# Altium PCB EASY-EAI-Nano-TB V1.01.PCBDOC (part 5 of 7)
Units mm, origin at the board's own origin, x right, y up, seen from the top; angles counter-clockwise.
Board outline 120 x 90 mm, 4 copper layers (Top Layer, GND, VCC, Bottom Layer); 667 components, 452 nets, 2251 pads, 1430 vias.
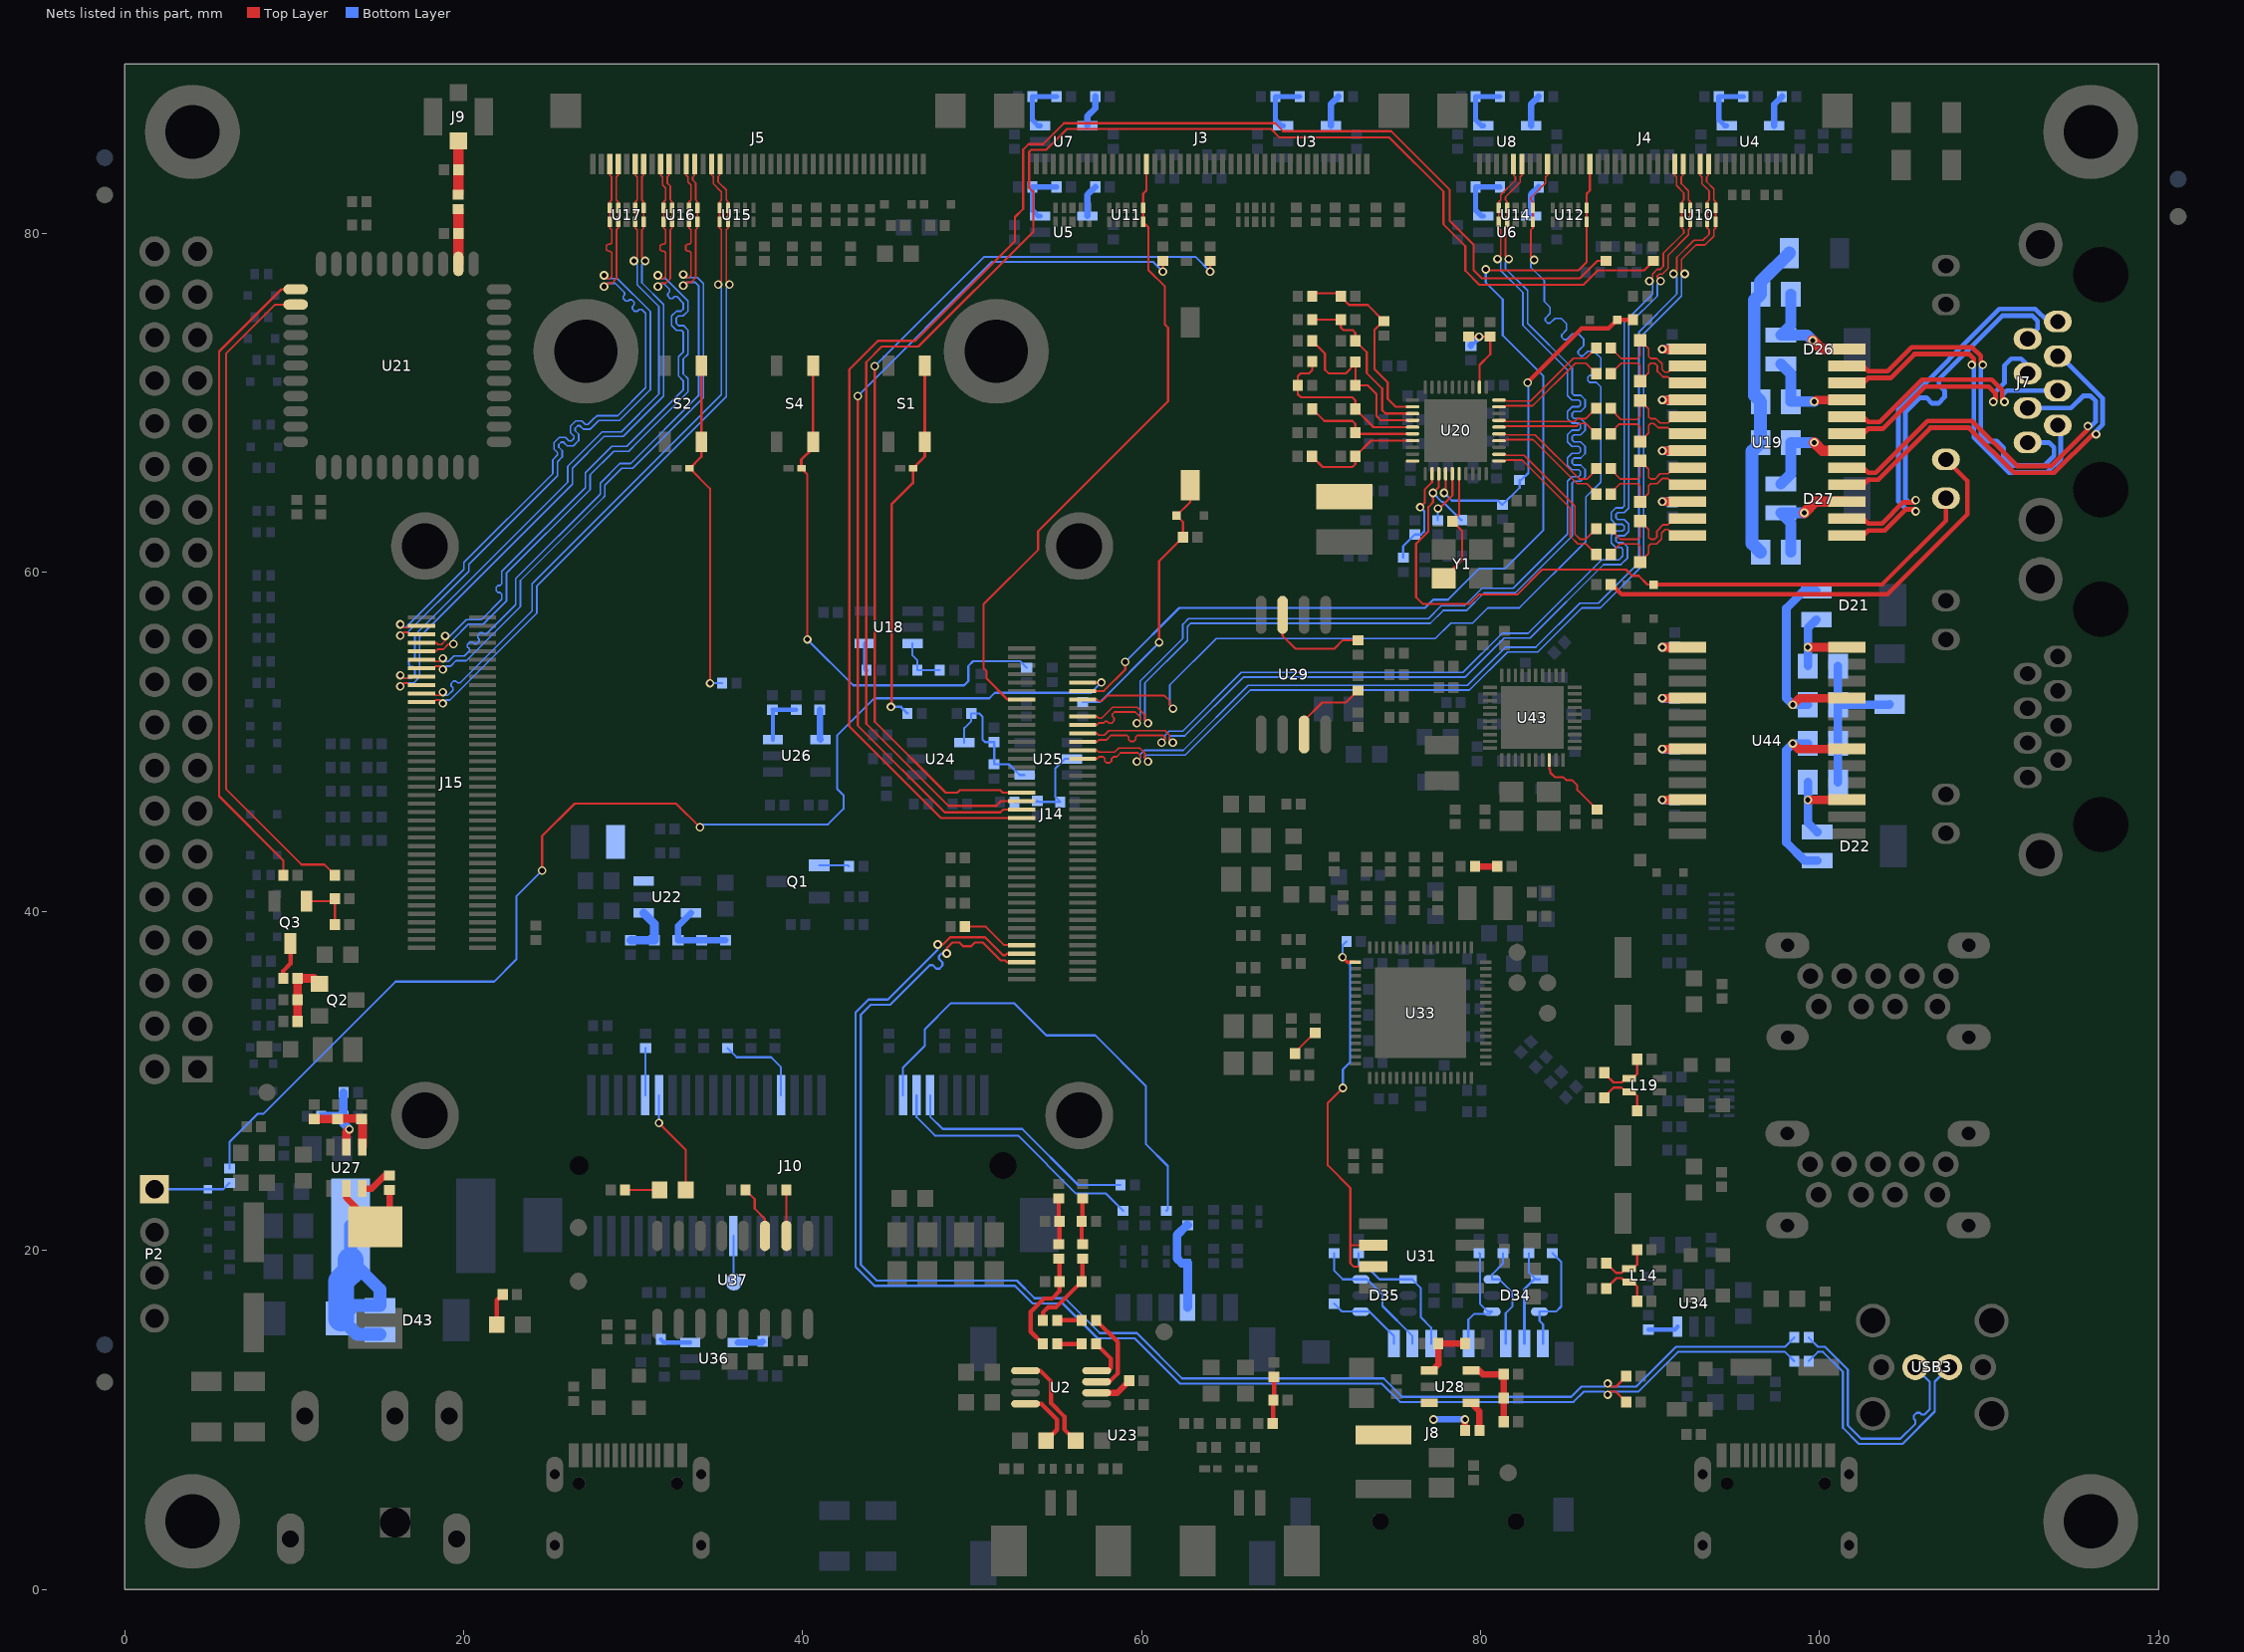
[diagram p7: the nets of this part, all layers, seen from the top]

## Via types
v1: diameter 0.508, hole 0.305, Top Layer to Bottom Layer, tented both sides, 1430 vias

## Nets (pads, with @x,y where several pads share a name; then routed paths per layer and width w, separated by ;. In a path a pad name is that pad's centre, name@x,y a point inside that pad or via, vN(x,y) a via of type N, cw(c..) or ccw(c..) an arc to the next point about the centre after c; other vN are vias at no path point) (continued)
MIPI_CSI1_RX_D0_P: J4.32 J14.67 U14.1 U14.10 | length 65.1
  Top Layer w0.102: J14.67@56.524,52.511 57.375,52.51 57.486,52.4 57.65,52.4 57.985,52.736 61.355,52.736 61.669,52.422 61.669,52.16 v1(61.859,51.969) ; v1(83.163,78.449) 82.973,78.639 82.973,80.223 83.083,80.333 U14.10@83.083,80.688 U14.1@83.083,81.518 83.083,81.873 82.973,81.983 82.973,82.119 83.843,82.989 83.843,83.34 83.953,83.45 J4.32@83.953,84.101
  Bottom Layer w0.102: v1(61.859,51.969) 61.669,52.16 61.669,53.363 64.414,56.109 77.332,56.109 78.246,57.023 79.535,57.023 80.424,57.912 82.291,57.912 86.224,61.845 86.224,64.465 87.098,65.338 87.098,70.958 86.832,71.223 86.437,71.223 86.336,71.324 86.336,71.528 86.437,71.629 86.832,71.629 87.098,71.895 87.098,72.663 86.784,72.977 86.702,73.059 86.327,73.059 86.047,72.78 85.903,72.78 85.76,72.923 85.76,73.067 85.899,73.207 86.09,73.397 86.09,73.773 85.783,74.08 85.407,74.08 85.077,73.75 84.934,73.75 84.79,73.893 84.79,74.037 85.069,74.316 85.069,74.692 84.762,74.999 84.387,74.999 84.107,74.72 83.964,74.72 83.82,74.863 83.82,75.007 84.099,75.286 84.099,75.661 83.764,75.997 83.764,77.22 82.973,78.011 82.973,78.258 v1(83.163,78.449) ; v1@83.138,78.474 v1@83.163,78.5
MIPI_CSI1_RX_D1_N: J4.36 J14.61 U14.5 U14.6 | length 65.1
  Top Layer w0.102: J14.61@56.524,51.01 57.375,51.01 57.486,51.121 57.759,51.121 57.85,51.212 57.985,51.212 58.083,51.114 58.245,51.114 58.38,51.249 58.38,51.416 58.278,51.518 58.278,51.64 58.407,51.769 59.633,51.769 59.916,51.487 59.916,51.296 v1(59.725,51.106) ; v1(81.003,78.5) 81.193,78.69 81.193,80.223 81.083,80.333 U14.6@81.083,80.688 U14.5@81.083,81.518 81.083,81.873 81.193,81.983 81.193,82.277 82.063,83.147 82.063,83.34 81.953,83.45 J4.36@81.953,84.101
  Bottom Layer w0.102: v1(59.725,51.106) 59.916,51.296 59.916,53.591 62.433,56.109 62.433,56.936 62.775,57.277 76.922,57.277 77.684,58.039 79.061,58.039 80.094,59.072 81.932,59.072 85.132,62.272 85.132,65.395 85.398,65.661 85.793,65.661 85.894,65.762 85.894,65.966 85.793,66.067 85.398,66.067 85.132,66.332 85.132,66.767 85.398,67.032 85.793,67.032 85.894,67.134 85.894,67.337 85.793,67.439 85.398,67.439 85.132,67.704 85.132,68.139 85.398,68.404 85.793,68.404 85.894,68.506 85.894,68.709 85.793,68.81 85.398,68.81 85.132,69.076 85.132,69.51 85.398,69.776 85.793,69.776 85.894,69.877 85.894,70.08 85.793,70.182 85.398,70.182 85.132,70.447 85.132,71.959 82.498,74.593 82.498,76.523 81.193,77.828 81.193,78.309 v1(81.003,78.5)
MIPI_CSI1_RX_D1_P: J4.35 J14.63 U14.4 U14.7 | length 65.1
  Top Layer w0.102: J14.63@56.524,51.511 57.375,51.51 57.486,51.4 57.643,51.4 58.292,52.049 59.749,52.049 60.195,51.602 60.195,51.296 v1(60.386,51.106) ; v1(81.663,78.5) 81.473,78.69 81.473,80.223 81.583,80.333 U14.7@81.583,80.688 U14.4@81.583,81.518 81.583,81.873 81.473,81.983 81.473,82.161 82.343,83.031 82.343,83.34 82.453,83.45 J4.35@82.453,84.101
  Bottom Layer w0.102: v1(60.386,51.106) 60.195,51.296 60.195,53.476 62.713,55.993 62.713,56.82 62.89,56.998 77.038,56.998 77.8,57.76 79.177,57.76 80.21,58.793 82.048,58.793 85.412,62.157 85.412,65.28 85.513,65.381 85.908,65.381 86.174,65.647 86.174,66.081 85.908,66.347 85.513,66.347 85.412,66.448 85.412,66.651 85.513,66.753 85.908,66.753 86.174,67.018 86.174,67.453 85.908,67.718 85.513,67.718 85.412,67.82 85.412,68.023 85.513,68.125 85.908,68.125 86.174,68.39 86.174,68.824 85.908,69.09 85.513,69.09 85.412,69.191 85.412,69.395 85.513,69.496 85.908,69.496 86.174,69.761 86.174,70.196 85.908,70.461 85.513,70.461 85.412,70.563 85.412,72.074 82.777,74.709 82.777,76.639 81.473,77.943 81.473,78.309 v1(81.663,78.5)
MIPI_CSI1_RX_D2_N: J4.14 J14.53 U10.2 U10.9 | length 65.1
  Top Layer w0.102: J14.53@56.524,49.01 57.375,49.01 57.486,49.121 57.73,49.121 57.831,49.019 57.831,48.872 57.933,48.77 58.136,48.77 58.238,48.872 58.238,49.019 58.339,49.121 58.525,49.121 58.764,49.36 59.789,49.36 59.916,49.233 59.916,49.042 v1(59.725,48.852) ; v1(91.393,77.623) 91.583,77.814 91.583,78.593 92.602,79.611 93.131,79.611 93.488,79.968 93.488,80.223 93.378,80.333 U10.9@93.378,80.688 U10.2@93.378,81.518 93.378,81.873 93.488,81.983 93.488,82.52 93.063,82.945 93.063,83.34 92.953,83.45 J4.14@92.953,84.101
  Bottom Layer w0.102: v1(59.725,48.852) 59.916,49.042 59.916,49.262 60.158,49.505 62.461,49.505 66.297,53.34 79.234,53.34 81.488,55.594 83.266,55.594 85.863,58.191 86.947,58.191 89.352,60.597 89.352,74.201 91.583,76.432 91.583,77.433 v1(91.393,77.623)
MIPI_CSI1_RX_D2_P: J4.13 J14.55 U10.1 U10.10 | length 65.1
  Top Layer w0.102: J14.55@56.524,49.511 57.375,49.51 57.486,49.4 58.409,49.4 58.648,49.639 59.905,49.639 60.195,49.348 60.195,49.042 v1(60.386,48.852) ; v1(92.053,77.623) 91.863,77.814 91.863,78.477 92.717,79.332 93.247,79.332 93.768,79.852 93.768,80.223 93.878,80.333 U10.10@93.878,80.688 U10.1@93.878,81.518 93.878,81.873 93.768,81.983 93.768,82.635 93.343,83.06 93.343,83.34 93.453,83.45 J4.13@93.453,84.101
  Bottom Layer w0.102: v1(60.386,48.852) 60.195,49.042 60.195,49.146 60.274,49.225 62.577,49.225 66.412,53.061 79.35,53.061 81.604,55.315 83.382,55.315 85.979,57.912 87.063,57.912 89.632,60.481 89.632,74.086 91.863,76.317 91.863,77.433 v1(92.053,77.623)
MIPI_CSI1_RX_D3_N: J4.17 J14.57 U10.5 U10.6 | length 65.1
  Top Layer w0.102: J14.57@56.524,50.01 57.375,50.01 57.486,50.121 57.929,50.121 58.195,50.386 59.141,50.386 59.243,50.284 59.243,50.137 59.344,50.036 59.548,50.036 59.649,50.137 59.649,50.284 59.751,50.386 61.267,50.386 61.376,50.276 61.376,50.134 v1@61.211,49.969 ; v1(89.964,77.199) 90.155,77.39 90.155,77.619 90.432,77.896 90.614,77.896 90.782,78.064 90.782,78.833 91.988,80.039 91.988,80.223 91.878,80.333 U10.6@91.878,80.688 U10.5@91.878,81.518 91.878,81.873 91.988,81.983 91.988,82.408 91.563,82.833 91.563,83.34 91.453,83.45 J4.17@91.453,84.101
  Bottom Layer w0.102: v1(61.186,49.969) 61.376,50.16 61.376,50.385 61.636,50.645 62.435,50.645 65.892,54.102 78.967,54.102 81.278,56.413 82.815,56.413 87.145,60.744 88.169,60.744 88.396,60.971 88.396,61.378 88.294,61.48 87.975,61.48 87.71,61.745 87.71,62.18 87.975,62.445 88.371,62.445 88.472,62.547 88.472,62.75 88.371,62.851 87.975,62.851 87.71,63.117 87.71,63.551 87.975,63.817 88.371,63.817 88.472,63.918 88.472,74.761 90.155,76.444 90.155,77.009 v1(89.964,77.199)
MIPI_CSI1_RX_D3_P: J4.16 J14.59 U10.4 U10.7 | length 65.1
  Top Layer w0.102: J14.59@56.524,50.511 57.375,50.51 57.486,50.4 57.814,50.4 58.079,50.665 61.382,50.665 61.656,50.392 61.656,50.134 v1@61.821,49.969 ; v1(90.625,77.199) 90.434,77.39 90.434,77.503 90.548,77.617 90.73,77.617 91.061,77.948 91.061,78.717 92.268,79.923 92.268,80.223 92.378,80.333 U10.7@92.378,80.688 U10.4@92.378,81.518 92.378,81.873 92.268,81.983 92.268,82.524 91.843,82.949 91.843,83.34 91.953,83.45 J4.16@91.953,84.101
  Bottom Layer w0.102: v1(61.846,49.969) 61.656,50.16 61.656,50.27 61.751,50.365 62.55,50.365 66.008,53.823 79.082,53.823 81.394,56.134 82.93,56.134 87.261,60.465 88.284,60.465 88.675,60.856 88.675,61.494 88.41,61.759 88.091,61.759 87.99,61.861 87.99,62.064 88.091,62.166 88.486,62.166 88.752,62.431 88.752,62.866 88.486,63.131 88.091,63.131 87.99,63.232 87.99,63.436 88.091,63.537 88.486,63.537 88.752,63.802 88.752,74.646 90.434,76.328 90.434,77.009 v1(90.625,77.199)
MIPI_CSI_CAM0_CLKOUT: J3.27 J14.68 U11.1 U11.10 | length 38.2
  Top Layer w0.127: J14.68@52.925,52.511 52.096,52.51 50.863,53.743 50.863,54.166 50.673,54.356 50.673,58.115 53.899,61.341 53.899,62.437 61.57,70.107 61.57,74.447 61.384,74.633 61.384,76.877 60.4,77.861 60.4,80.384 U11.10@60.096,80.688 U11.1@60.096,81.518 60.096,82.357 60.291,82.552 J3.27@60.291,84.101
MIPI_CSI_CAM0_PDN: J14.46 R26.1 | length 55
  Top Layer w0.127: v1(44.26,72.172) 44.26,51.196 48.446,47.01 49.144,47.01 49.301,47.168 51.651,47.168 51.808,47.01 J14.46@52.925,47.01 ; v1(64.049,77.763) R26.1@64.049,78.392
  Bottom Layer w0.127: v1(44.26,72.172) 50.72,78.632 63.18,78.632 v1(64.049,77.763)
MIPI_CSI_CAM0_RST: J14.42 R28.1 | length 53.4
  Top Layer w0.127: v1(43.26,70.41) 43.26,50.971 48.384,45.847 51.669,45.847 51.832,46.01 J14.42@52.925,46.01 ; v1(61.255,77.763) R28.1@61.255,78.392
  Bottom Layer w0.127: v1(43.26,70.41) 51.184,78.334 60.684,78.334 v1(61.255,77.763)
MIPI_CSI_CAM1_CLKOUT: J4.27 J14.69 U12.1 U12.10 | length 60.3
  Top Layer w0.127: J14.69@56.524,53.01 57.786,53.01 59.04,54.264 v1(59.04,54.719) ; v1(80.313,77.889) 80.253,77.829 85.768,77.829 86.258,78.319 U12.10@86.258,80.688 U12.1@86.258,81.518 86.258,82.357 86.453,82.552 J4.27@86.453,84.101
  Bottom Layer w0.127: v1(59.04,54.719) 62.233,57.912 76.733,57.912 77.216,58.395 78.08,58.395 79.908,60.223 81.432,60.223 83.698,62.489 83.698,71.612 81.315,73.995 81.315,76.119 80.313,77.121 v1(80.313,77.889)
MIPI_CSI_CAM1_PDN: J14.44 R27.1 | length 94.3
  Top Layer w0.127: J14.44@52.925,46.511 51.714,46.51 51.431,46.228 48.617,46.228 43.76,51.085 43.76,72.417 44.675,73.332 46.835,73.332 53.615,80.112 53.615,82.455 53.372,82.697 53.372,84.825 53.495,84.948 54.38,84.948 55.614,86.182 67.635,86.182 68.149,85.668 74.623,85.668 77.81,82.481 77.81,80.559 79.106,79.263 79.106,77.812 79.935,76.983 86.074,76.983 86.923,77.832 89.651,77.832 R27.1@90.211,78.392
MIPI_CSI_CAM1_RST: J14.40 R29.1 | length 93.2
  Top Layer w0.127: J14.40@52.925,45.511 48.165,45.51 42.76,50.915 42.76,71.982 44.456,73.678 46.658,73.678 52.533,79.553 52.533,80.978 53.012,81.458 53.012,84.96 53.334,85.282 54.195,85.282 55.428,86.515 67.883,86.515 68.352,86.046 74.732,86.046 78.191,82.586 78.191,80.742 79.588,79.346 79.588,77.851 80.075,77.364 85.86,77.364 86.889,78.392 R29.1@87.417,78.392
MIPI_DSI_TX0_CLK_N: J5.34 J15.64 U17.1 U17.10 | length 40.5
  Top Layer w0.102: v1(16.268,53.279) 16.459,53.47 16.703,53.47 16.814,53.359 J15.64@17.524,53.359 ; J5.34@30.629,84.101 30.629,83.45 30.519,83.34 30.519,81.986 30.632,81.873 U17.1@30.632,81.518 U17.10@30.632,80.688 30.632,80.333 30.522,80.223 30.522,78.582 v1(30.712,78.392)
  Bottom Layer w0.102: v1(16.268,53.279) 16.459,53.47 17.035,53.47 17.41,53.844 17.41,56.2 26.426,65.216 26.426,66.162 28.29,68.026 29.422,68.026 31.806,70.41 31.806,75.809 30.522,77.094 30.522,78.201 v1(30.712,78.392)
MIPI_DSI_TX0_CLK_P: J5.35 J15.66 U17.2 U17.9 | length 40.5
  Top Layer w0.102: v1(16.268,53.94) 16.459,53.749 16.697,53.749 16.807,53.859 J15.66@17.524,53.859 ; v1(30.052,78.392) 30.242,78.582 30.242,80.223 30.132,80.333 U17.9@30.132,80.688 U17.2@30.132,81.518 30.132,81.873 30.239,81.98 30.239,83.34 30.129,83.45 J5.35@30.129,84.101
  Bottom Layer w0.102: v1(16.268,53.94) 16.459,53.749 16.92,53.749 17.13,53.96 17.13,54.344 17.029,54.445 16.88,54.445 16.779,54.547 16.779,54.75 16.88,54.852 17.029,54.852 17.13,54.953 17.13,56.316 26.147,65.332 26.147,66.277 28.174,68.305 29.306,68.305 31.527,70.526 31.527,75.694 30.242,76.978 30.242,78.201 v1(30.052,78.392)
MIPI_DSI_TX0_D0_N: J5.25 J15.60 U15.4 U15.7 | length 40.8
  Top Layer w0.102: J15.60@17.524,52.359 18.235,52.359 18.346,52.47 18.59,52.47 v1(18.781,52.279) ; J5.25@35.129,84.127 J5.25@35.129,84.101 35.129,83.476 35.019,83.366 35.019,83.057 35.499,82.577 35.499,81.983 35.609,81.873 U15.4@35.609,81.518 U15.7@35.609,80.688 35.609,80.333 35.499,80.223 35.499,77.185 v1(35.689,76.995)
  Bottom Layer w0.102: v1(18.781,52.279) 18.971,52.47 19.182,52.47 24.331,57.618 24.331,59.213 35.499,70.382 35.499,76.804 v1(35.689,76.995)
MIPI_DSI_TX0_D0_P: J5.26 J15.62 U15.5 U15.6 | length 40.8
  Top Layer w0.102: J15.62@17.524,52.859 18.241,52.859 18.352,52.749 18.59,52.749 v1(18.781,52.94) ; J5.26@34.629,84.127 J5.26@34.629,84.101 34.629,83.476 34.739,83.366 34.739,82.942 35.219,82.461 35.219,81.983 35.109,81.873 U15.5@35.109,81.518 35.109,80.688 35.109,80.333 35.22,80.223 35.22,77.185 v1(35.029,76.995)
  Bottom Layer w0.102: v1(18.781,52.94) 18.971,52.749 19.066,52.749 19.373,53.056 19.373,53.199 19.269,53.303 19.269,53.447 19.412,53.591 19.556,53.591 19.66,53.487 19.804,53.487 24.051,57.734 24.051,59.329 35.22,70.498 35.22,76.804 v1(35.029,76.995)
MIPI_DSI_TX0_D1_N: J5.28 J15.70 U16.1 U16.10 | length 40.6
  Top Layer w0.102: J15.70@17.524,54.859 18.241,54.859 18.352,54.749 18.59,54.749 v1(18.781,54.94) ; v1(32.967,76.931) 33.157,77.122 33.412,77.122 33.697,77.406 33.697,80.223 33.807,80.333 U16.10@33.807,80.688 U16.1@33.807,81.518 33.807,81.873 33.697,81.983 33.697,82.982 33.519,83.16 33.519,83.34 33.629,83.45 J5.28@33.629,84.101
  Bottom Layer w0.102: v1(18.781,54.94) 18.971,54.749 19.104,54.749 19.434,55.078 20.054,55.078 20.339,55.363 20.339,55.507 20.231,55.614 20.231,55.758 20.375,55.902 20.518,55.902 20.626,55.794 20.77,55.794 20.914,55.938 20.914,56.081 20.839,56.156 20.839,56.299 20.983,56.443 21.127,56.443 21.201,56.369 21.345,56.369 23.079,58.103 23.079,59.644 28.064,64.629 28.064,65.273 29.22,66.428 29.864,66.428 33.868,70.433 33.868,76.937 33.683,77.122 33.157,77.122 v1(32.967,76.931)
MIPI_DSI_TX0_D1_P: J5.29 J15.68 U16.2 U16.9 | length 40.6
  Top Layer w0.102: J15.68@17.524,54.359 18.235,54.359 18.346,54.47 18.59,54.47 v1(18.781,54.279) ; v1(32.967,77.592) 33.157,77.401 33.297,77.401 33.417,77.522 33.417,78.87 33.323,78.965 33.203,78.965 33.106,79.062 33.106,79.282 33.206,79.382 33.337,79.382 33.417,79.462 33.417,80.223 33.307,80.333 U16.9@33.307,80.688 U16.2@33.307,81.518 33.307,81.873 33.417,81.983 33.417,82.867 33.239,83.045 33.239,83.34 33.129,83.45 J5.29@33.129,84.101
  Bottom Layer w0.102: v1(18.781,54.279) 18.971,54.47 19.22,54.47 19.549,54.799 20.17,54.799 23.358,57.987 23.358,59.528 28.262,64.431 28.344,64.513 28.344,65.157 29.336,66.149 29.979,66.149 34.148,70.317 34.148,77.052 33.799,77.401 33.157,77.401 v1(32.967,77.592)
MIPI_DSI_TX0_D2_N: J5.31 J15.74 U16.4 U16.7 | length 40.4
  Top Layer w0.102: J15.74@17.524,55.859 18.375,55.859 18.486,55.749 18.693,55.749 18.918,55.974 v1(18.918,56.258) ; v1(31.466,76.881) 31.657,77.071 31.912,77.071 32.196,77.355 32.196,80.223 32.307,80.333 U16.7@32.307,80.688 U16.4@32.307,81.518 32.307,81.873 32.197,81.983 32.197,82.806 32.019,82.984 32.019,83.34 32.129,83.45 J5.31@32.129,84.101
  Bottom Layer w0.102: v1(18.918,56.258) 19.202,56.258 20.173,57.229 21.062,57.229 22.25,58.417 22.25,58.722 22.148,58.824 22.035,58.824 21.933,58.925 21.933,59.128 22.035,59.23 22.148,59.23 22.25,59.332 22.25,60.067 27.188,65.006 27.188,65.884 28.743,67.438 29.621,67.438 32.958,70.775 32.958,71.327 32.682,71.602 32.682,72.727 32.958,73.003 32.958,74.194 32.855,74.296 32.567,74.296 32.273,74.59 32.273,75.134 32.56,75.42 32.836,75.42 32.958,75.541 32.958,75.914 32.589,76.283 32.445,76.283 32.338,76.175 32.194,76.175 32.05,76.319 32.05,76.463 32.158,76.571 32.158,76.714 31.801,77.071 31.657,77.071 v1(31.466,76.881)
MIPI_DSI_TX0_D2_P: J5.32 J15.72 U16.5 U16.6 | length 40.4
  Top Layer w0.102: J15.72@17.524,55.359 18.375,55.359 18.486,55.47 18.809,55.47 19.115,55.776 v1(19.4,55.776) ; v1(31.466,77.541) 31.657,77.35 31.796,77.35 31.917,77.471 31.917,78.87 31.823,78.965 31.703,78.965 31.605,79.062 31.605,79.282 31.706,79.382 31.837,79.382 31.917,79.462 31.917,80.223 31.807,80.333 U16.6@31.807,80.688 U16.5@31.807,81.518 31.807,81.873 31.917,81.983 31.917,82.69 31.739,82.868 31.739,83.34 31.629,83.45 J5.32@31.629,84.101
  Bottom Layer w0.102: v1(19.4,55.776) 19.4,56.061 20.288,56.949 21.177,56.949 22.529,58.301 22.529,59.951 27.337,64.759 27.468,64.89 27.468,65.768 28.858,67.159 29.736,67.159 30.294,67.716 33.237,70.66 33.237,71.442 32.961,71.718 32.961,72.611 33.237,72.887 33.237,74.309 32.971,74.575 32.683,74.575 32.553,74.705 32.553,75.018 32.675,75.141 32.952,75.141 33.237,75.426 33.237,76.03 31.917,77.35 31.657,77.35 v1(31.466,77.541)
MIPI_DSI_TX0_D3_N: J5.37 J15.78 U17.4 U17.7 | length 40.6
  Top Layer w0.102: v1(16.268,56.94) 16.459,56.749 16.697,56.749 16.807,56.859 J15.78@17.524,56.859 ; v1(28.291,76.881) 28.482,77.071 28.737,77.071 29.021,77.355 29.021,80.223 29.132,80.333 U17.7@29.132,80.688 U17.4@29.132,81.518 29.132,81.873 29.019,81.986 29.019,83.34 29.129,83.45 J5.37@29.129,84.101
  Bottom Layer w0.102: v1(16.268,56.94) 16.459,56.749 16.591,56.749 20.029,60.187 20.029,60.59 25.263,65.824 25.263,66.651 25.548,66.936 25.548,67.08 25.34,67.287 25.34,67.663 25.648,67.97 26.023,67.97 26.231,67.762 26.374,67.762 26.518,67.906 26.518,68.05 26.31,68.257 26.31,68.632 26.618,68.94 26.993,68.94 27.2,68.732 27.344,68.732 27.664,69.052 27.86,69.248 29.089,69.248 30.744,70.903 30.744,75.285 30.505,75.524 30.361,75.524 30.253,75.416 30.11,75.416 29.966,75.56 29.966,75.704 30.074,75.811 30.074,75.955 29.93,76.099 29.786,76.099 29.707,76.019 29.563,76.019 29.42,76.163 29.42,76.307 29.499,76.386 29.499,76.53 28.958,77.071 28.482,77.071 v1(28.291,76.881)
MIPI_DSI_TX0_D3_P: J5.38 J15.76 U17.5 U17.6 | length 40.6
  Top Layer w0.102: v1(16.268,56.279) 16.459,56.47 16.703,56.47 16.814,56.359 J15.76@17.524,56.359 ; v1(28.291,77.541) 28.482,77.35 28.621,77.35 28.742,77.471 28.742,78.87 28.648,78.965 28.528,78.965 28.43,79.062 28.43,79.282 28.531,79.382 28.662,79.382 28.742,79.462 28.742,80.223 28.632,80.333 U17.6@28.632,80.688 U17.5@28.632,81.518 28.632,81.873 28.739,81.98 28.739,83.34 28.629,83.45 J5.38@28.629,84.101
  Bottom Layer w0.102: v1(16.268,56.279) 16.459,56.47 16.706,56.47 20.226,59.99 20.308,60.072 20.308,60.474 25.542,65.708 25.542,66.535 25.827,66.82 25.827,67.196 25.62,67.403 25.62,67.547 25.764,67.69 25.907,67.69 26.115,67.483 26.49,67.483 26.797,67.79 26.797,68.165 26.59,68.373 26.59,68.517 26.733,68.66 26.877,68.66 27.085,68.453 27.46,68.453 27.975,68.968 29.205,68.968 31.023,70.787 31.023,75.401 29.074,77.35 28.482,77.35 v1(28.291,77.541)
NetC2_1: C2.1 R3.2 R4.1 | length 2.7
  Top Layer w0.254: R4.1@56.515,20.364 56.471,20.408 C2.1@56.471,21.717 56.515,21.761 R3.2@56.515,23.07
NetC3_1: C3.1 C5.1 R4.2 | length 4.8
  Top Layer w0.254: C5.1@54.185,15.875 54.185,16.339 54.483,16.637 54.947,16.637 C3.1@56.471,18.161 ; C3.1@56.515,18.205 R4.2@56.515,19.514
NetC4_2: C4.2 U2.2 | length 2.2
  Top Layer w0.381: U2.2@57.355,11.595 58.569,11.595 C4.2@59.275,12.301
NetC5_2: C5.2 R8.1 | length 1.4
  Top Layer w0.254: C5.2@55.035,15.875 R8.1@56.471,15.875
NetC6_1: C6.1 C8.2 R7.2 | length 6.3
  Top Layer w0.254: C6.1@54.185,14.478 53.456,15.207 53.456,16.372 54.247,17.163 54.729,17.163 55.162,17.596 C8.2@55.162,18.161 55.162,19.47 R7.2@55.118,19.514
NetC6_2: C6.2 R35.1 | length 1.4
  Top Layer w0.254: C6.2@55.035,14.478 R35.1@56.471,14.478
NetC7_2: C7.2 R6.2 R7.1 | length 2.7
  Top Layer w0.254: R7.1@55.118,20.364 55.162,20.408 C7.2@55.162,21.717 55.118,21.761 R6.2@55.118,23.07
NetC12_2: C12.2 R9.2 R36.2 | length 2.8
  Top Layer w0.254: R36.2@67.735,9.779 67.774,9.818 C12.2@67.774,11.176 67.818,11.22 R9.2@67.818,12.529
NetC19_2: C19.2 U3.4 | length 1.9
  Bottom Layer w0.381: U3.4@71.164,86.371 71.164,87.627 C19.2@71.625,88.088
NetC20_2: C20.2 U4.4 | length 1.9
  Bottom Layer w0.381: U4.4@97.326,86.371 97.326,87.627 C20.2@97.787,88.088
NetC21_2: C21.2 R10.2 U3.3 | length 3.4
  Bottom Layer w0.305: U3.3@68.364,86.371 68.253,86.371 67.903,86.721 R10.2@67.903,88.088 C21.2@69.339,88.088
NetC22_2: C22.2 R11.2 U4.3 | length 3.4
  Bottom Layer w0.305: U4.3@94.526,86.371 94.415,86.371 94.065,86.721 R11.2@94.065,88.088 C22.2@95.501,88.088
NetC27_2: C27.2 U5.4 | length 1.9
  Bottom Layer w0.381: U5.4@56.813,81.037 56.813,82.293 C27.2@57.274,82.754
NetC28_2: C28.2 U6.4 | length 1.9
  Bottom Layer w0.381: U6.4@82.975,81.037 82.975,82.293 C28.2@83.436,82.754
NetC29_2: C29.2 R12.2 U5.3 | length 3.4
  Bottom Layer w0.305: U5.3@54.013,81.037 53.902,81.037 53.552,81.387 R12.2@53.552,82.754 C29.2@54.988,82.754
NetC30_2: C30.2 R13.2 U6.3 | length 3.4
  Bottom Layer w0.305: U6.3@80.175,81.037 80.064,81.037 79.714,81.387 R13.2@79.714,82.754 C30.2@81.15,82.754
NetC35_2: C35.2 U7.4 | length 1.9
  Bottom Layer w0.381: U7.4@56.813,86.371 56.813,86.938 57.274,87.399 C35.2@57.274,88.088
NetC36_2: C36.2 U8.4 | length 1.9
  Bottom Layer w0.381: U8.4@82.975,86.371 82.975,87.627 C36.2@83.436,88.088
NetC37_2: C37.2 R14.2 U7.3 | length 3.4
  Bottom Layer w0.305: U7.3@54.013,86.371 53.902,86.371 53.552,86.721 R14.2@53.552,88.088 C37.2@54.988,88.088